# KiCad board kikit_panel.kicad_pcb (continued)
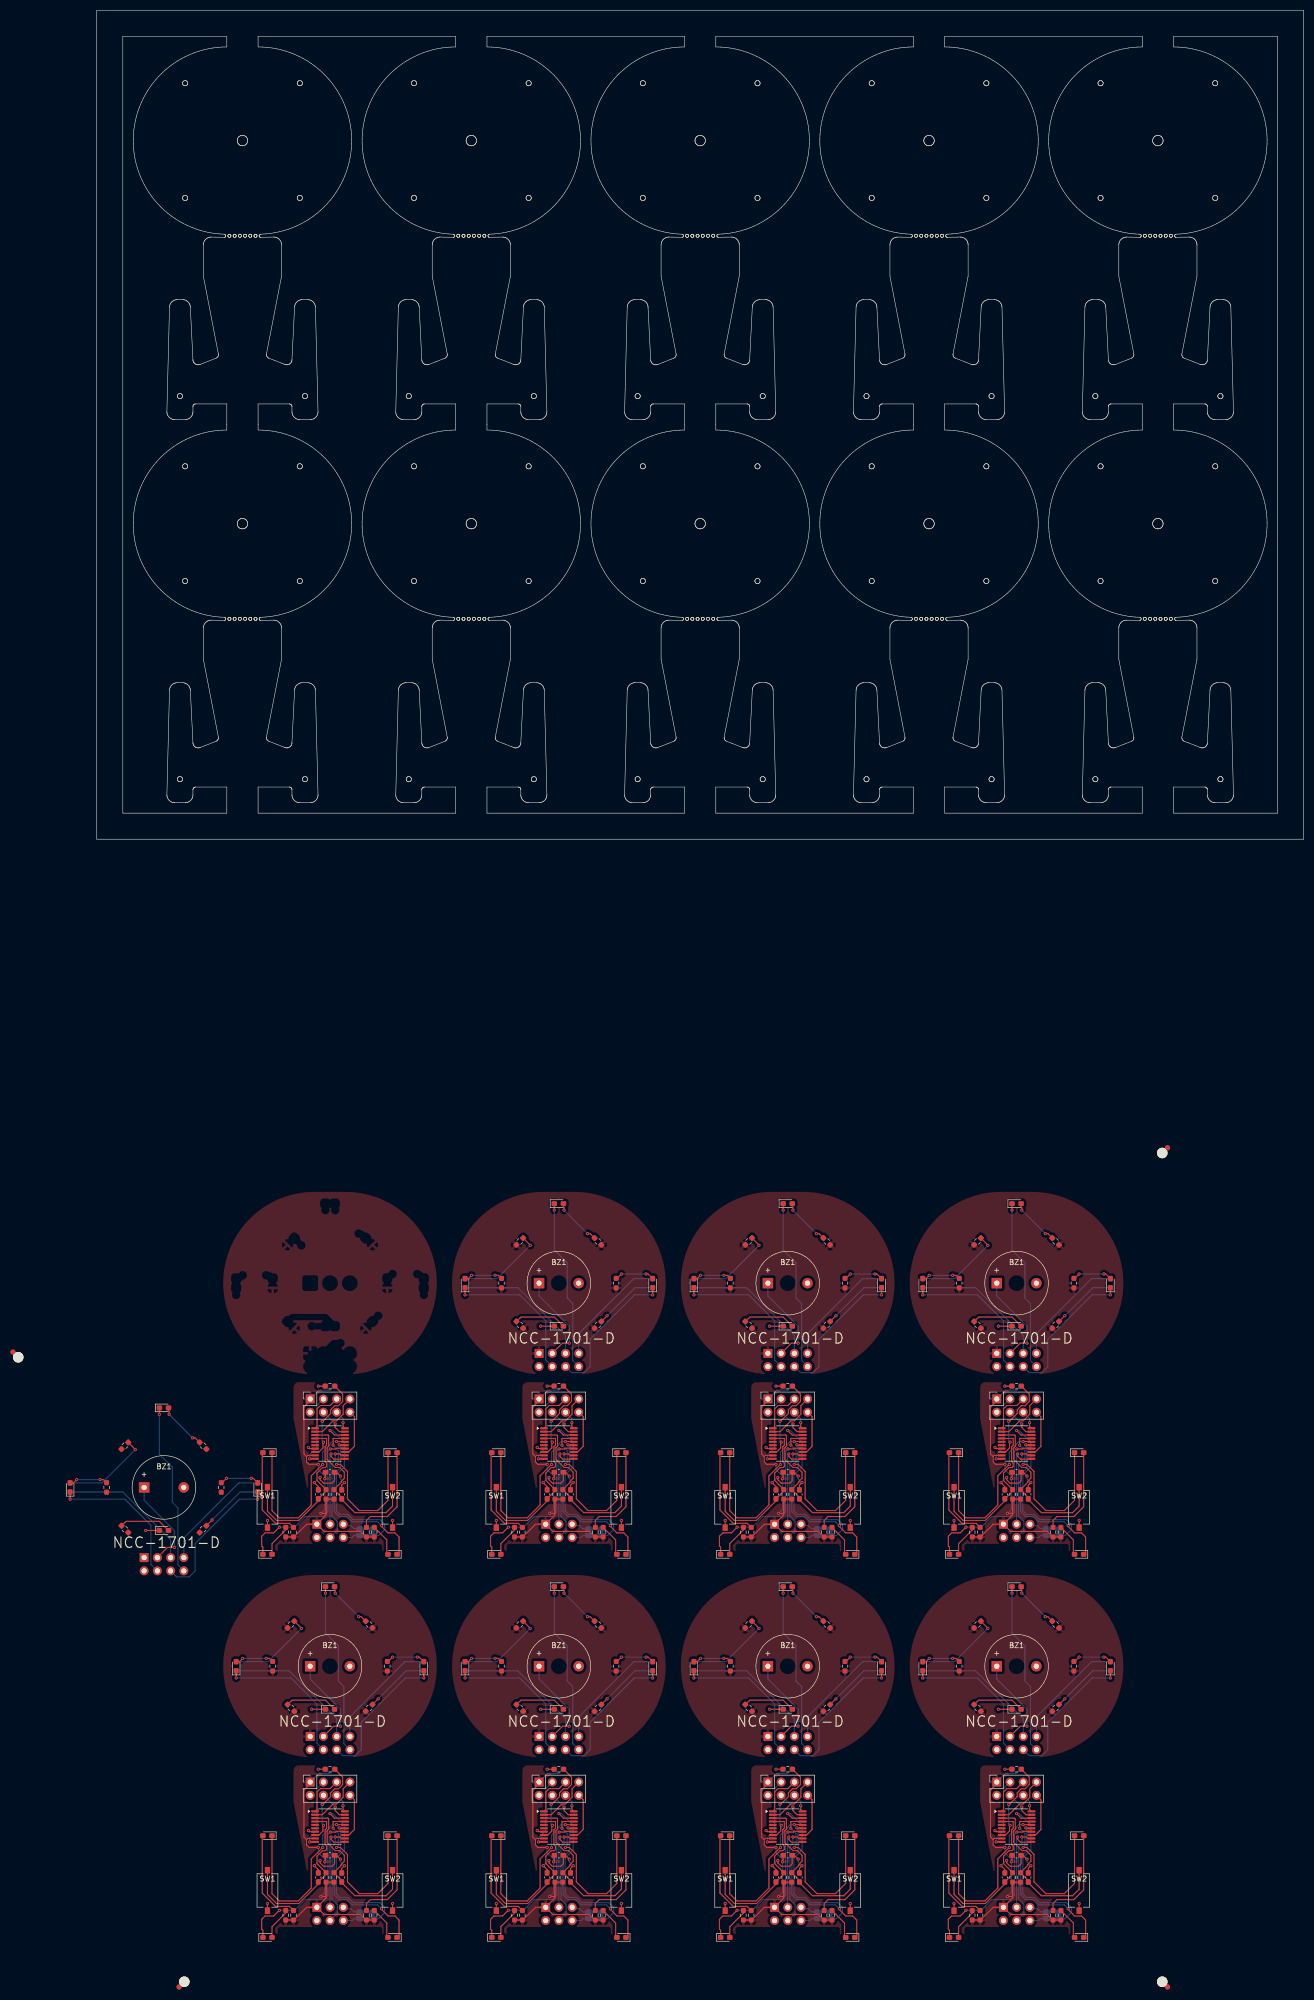
[diagram p0: board, top side]
## Routing (per net, layer and track width the routed paths; a pad name or vN(x,y) marks a point on that pad's centre or on a via; arc(x,y) is an arc through that point) (continued)
Board_1-/red_gondeln_left: length 36.5
  Top w0.2: D6#5.1 77.54,-128.76 78.92,-130.13 82.6,-130.13 85.07,-127.67 85.07,-122.08 87.25,-119.9 v1(87.27,-119.9) ; v1(89.92,-115.51) 91.48,-115.51 U1#2.16
  Bottom w0.2: v1(87.27,-119.9) 87.27,-117.53 88.66,-116.13 88.66,-115.95 89.11,-115.51 v1(89.92,-115.51)
Board_1-/red_gondeln_right: length 35.9
  Top w0.2: D7.1 99.79,-126.78 97.83,-128.74 94.28,-128.74 92.02,-126.48 92.02,-121.23 90.67,-119.88 v1(89.92,-119.88) ; 92.27,-114.91 U1#2.17 ; U1#2.17 90.79,-114.91 ; U1#2.17 89.26,-114.91 v1(89.26,-116.2)
  Bottom w0.2: v1(89.92,-119.88) 90.27,-119.53 90.27,-117.2 v1(89.26,-116.2)
Board_1-/SCL: length 19.2
  Top w0.2: v1(89.67,-117.88) 90.52,-117.88 90.79,-118.16 U1#2.12
  Bottom w0.2: J5#6.4 90.07,-132.51 90.07,-130.88 89.07,-129.87 89.07,-119.74 89.67,-119.14 v1(89.67,-117.88)
Board_1-/SDA: length 17.6
  Top w0.2: v1(88.87,-117.88) 88.87,-118.34 89.41,-118.88 91.45,-118.88 U1#2.11
  Bottom w0.2: 88.18,-130.86 J5#6.3 88.67,-131.34 88.67,-118.08 v1(88.87,-117.88)
Board_1-/sw1: length 33.5
  Top w0.2: SW1#2.1 76.67,-128.88 78.42,-130.63 82.67,-130.63 86.42,-126.88 C1#7.1 87.92,-124.99 R9#7.2 86.17,-122.97 86.17,-121.55 87.22,-120.5 87.8,-120.5 88.02,-120.28 88.02,-119.63 87.72,-119.33 87.72,-116.52 88.02,-116.22 88.02,-114.91 U1#2.4
Board_1-/sw2: length 33.3
  Top w0.2: U1#2.3 88.29,-114.26 88.42,-114.38 88.42,-116.38 88.12,-116.68 88.12,-118.93 89.67,-120.48 90.52,-120.48 91.42,-121.38 91.42,-122.53 90.82,-123.13 90.82,-123.32 R8#6.2 90.92,-126.22 C2.1 90.92,-126.63 93.43,-129.14 99.41,-129.14 100.67,-127.88 SW2.1
Board_1-GND: length 20.4
  Top w0.2: C2.2 90.92,-123.88 v1(91.42,-123.38) ; U1#2.7 84.74,-116.86 v1(84.52,-116.63) ; 89.92,-121.77 C3#2.2 ; C3#2.2 89.53,-123.02 89.07,-123.48 87.42,-123.48 86.77,-122.83 v1(86.77,-122.38) ; C3#2.2 89.92,-121.38 v1(90.67,-122.13) ; C1#7.2 86.42,-124.13 v1(85.67,-123.38) ; D1#7.1 v1(85.17,-93.38) ; v1(76.67,-130.63) SW1#2.2 ; v1(100.67,-130.63) SW2.2
  Bottom w0.2: v1(90.67,-122.13) 90.67,-122.63 v1(91.42,-123.38) ; v1(85.67,-123.38) 86.67,-122.38 v1(86.77,-122.38)
Board_1-Net-(D1-A): length 10.1
  Top w0.2: R1.2 81.13,-91.88 81.17,-91.88 81.42,-91.63 87.79,-91.63 D1#7.2
Board_1-Net-(D2-K): length 2.7
  Top w0.2: R2#3.1 v1(86.42,-104.88)
  Bottom w0.2: v1(86.42,-104.88) D2#2.1
Board_1-Net-(D3-A): length 6.2
  Top w0.2: R3#7.2 99.56,-134.37 99.56,-136.9 D3#7.2
Board_1-Net-(D4-A): length 6.2
  Top w0.2: R4#5.2 80.17,-132.46 77.54,-135.08 D4#5.2
Board_1-Net-(D5-A): length 9.4
  Top w0.2: v1(89.67,-71.13) 89.67,-70.63 89.54,-70.51 D5#2.2 ; v1(94.17,-75.63) 94.67,-75.63 R5#7.2
  Bottom w0.2: v1(89.67,-71.13) v1(94.17,-75.63)
Board_1-Net-(D6-A): length 18.4
  Top w0.2: 75.87,-117.71 75.67,-117.91 75.67,-128.63 78.22,-131.18 80.88,-131.18 R6#6.2
Board_1-Net-(D7-A): length 18.7
  Top w0.2: R7#4.2 95.67,-130.63 96.42,-129.88 99.67,-129.88 101.54,-128.01 D7.2
Board_1-Net-(D8-A): length 7.6
  Top w0.2: v1(71.92,-83.63) 71.29,-84.26 D8#5.2 ; 77.63,-84.26 R10#6.2 77.08,-83.63 v1(76.42,-83.63)
  Bottom w0.2: v1(71.92,-83.63) v1(76.42,-83.63)
Board_1-Net-(D9-A): length 7.8
  Top w0.2: 99.7,-84.26 R11#2.2 99.83,-84.22 v1(100.67,-83.38) ; D9.2 105.79,-83.38 v1(105.42,-83.38)
  Bottom w0.2: v1(100.67,-83.38) v1(105.42,-83.38)
Board_1-Net-(D10-A): length 17.1
  Top w0.2: v1(83.17,-77.88) 83.17,-77.84 R12#7.2
  Bottom w0.2: v1(83.17,-77.88) 76.79,-84.26 D10#5.2
Board_1-Net-(D11-A): length 12.5
  Top w0.2: R13#3.2 v1(97.92,-91.38)
  Bottom w0.2: D11#6.2 103.29,-86.01 v1(97.92,-91.38)
Board_1-Net-(JP1-B): length 37.2
  Top w0.2: v1(88.67,-113.38) 89.54,-114.26 U1#2.18 ; U1#2.18 92.27,-114.26 ; U1#2.18 90.79,-114.26
  Bottom w0.2: v1(88.67,-113.38) 89.17,-113.38 91.42,-115.63 91.42,-120.36 89.87,-121.91 89.87,-128.77 90.58,-129.48 92.08,-129.48 93.08,-130.48 98.27,-130.48 99.17,-131.38 99.17,-132.38 98.02,-133.53 JP1#3.2 97.87,-133.53
Board_1-Net-(U1-PD0): length 16.6
  Top w0.2: U1#2.8 86.54,-117.51 87.32,-116.73 87.32,-115.73 v1(87.42,-115.63) ; R2#3.2 91.1,-106.4 91.1,-107.82 90.28,-108.63 89.57,-108.63 88.8,-109.4 88.8,-110.12 87.28,-111.63 v1(87.17,-111.63)
  Bottom w0.2: v1(87.17,-111.63) 87.17,-115.38 v1(87.42,-115.63)
Board_1-VCC: length 64.3
  Top w0.2: U1#2.9 84.39,-118.16 84.17,-118.38 ; 89.67,-126.54 R9#7.1 ; R9#7.1 87.92,-129.28 v1(86.92,-129.28) ; R9#7.1 87.92,-129.58 J5#6.1 ; J5#6.1 84.19,-131.36 81.75,-133.79 R6#6.1 R4#5.1 ; J5#6.1 87.53,-132.75 94.53,-132.75 95.58,-133.79 R7#4.1 R3#7.1 ; 84.96,-107.34 84.42,-107.88 84.42,-108.13 83.67,-108.88 83.67,-117.88 84.17,-118.38 ; 84.17,-118.38 84.17,-119.38 84.67,-119.88 v1(86.42,-119.88) ; v1(87.67,-122.63) 87.67,-122.38 87.8,-122.24 C3#2.1
  Bottom w0.2: J4#2.1 86.55,-105.66 88.64,-105.66 89.42,-104.88 D2#2.2 ; v1(86.92,-129.28) 87.67,-128.53 v1(87.67,-122.63) 87.67,-122.13 86.42,-120.88 v1(86.42,-119.88)
Board_2-/blue gondeln left: length 33.4
  Top w0.2: U1#8.14 135.37,-116.78 133.83,-116.78 133.68,-116.93 v1(132.63,-116.93) ; v1(122.87,-131.92) 121.78,-133.02 120.12,-133.02 119.48,-133.66 119.48,-135.53 119.71,-135.76 D4#7.1
  Bottom w0.2: v1(122.87,-131.92) 125.79,-131.92 127.83,-129.88 131.33,-129.88 132.18,-129.03 132.18,-117.38 v1(132.63,-116.93)
Board_2-/blue gondeln right: length 32.6
  Top w0.2: v1(134.34,-116.12) 134.43,-116.21 U1#8.15 ; v1(142.48,-131.63) 142.48,-131.78 143.72,-133.02 145.04,-133.02 145.83,-133.81 145.83,-136.76 D3#2.1
  Bottom w0.2: v1(142.48,-131.63) 141.73,-130.88 136.83,-130.88 135.83,-129.88 134.33,-129.88 133.38,-128.93 133.38,-121.75 134.58,-120.55 134.58,-116.36 v1(134.34,-116.12)
Board_2-/blue_front: length 42.5
  Top w0.2: U1#8.13 136.18,-117.51 137.25,-116.44 137.25,-110.73 J4#5.8 ; D5#4.1 131.71,-71.26
  Bottom w0.2: J1.8 135.25,-99.98 135.25,-89.05 134.18,-87.98 134.18,-81.23 131.71,-78.76 v1(131.71,-71.13)
Board_2-/buzzer: length 31.6
  Top w0.2: v1(128.68,-118.81) 129.71,-118.81 U1#8.10 ; v1(134.58,-96.63) 133.28,-96.63 J1.3
  Bottom w0.2: v1(134.58,-96.63) 134.58,-93.38 128.78,-87.58 BZ1#7.1 ; J4#5.3 130.08,-108.58 130.08,-116.63 128.68,-118.03 v1(128.68,-118.81)
Board_2-/GPIO1: length 5.3
  Bottom w0.2: 137.58,-132.23 137.18,-132.23 136.58,-131.63 135.41,-131.63 J5#3.5 ; JP1#4.1 J3#8.2
Board_2-/GPIO2: length 3.1
  Top w0.2: 135.5,-133.53 J5#3.6
  Bottom w0.2: J5#3.6 136.82,-133.9 137.18,-133.53 137.58,-133.53
Board_2-/LED dish bottom l: length 34.9
  Top w0.2: J4#5.5 132.61,-108.59 130.73,-108.59 130.08,-109.24 130.08,-112.59 U1#8.1
  Bottom w0.2: J1.5 133.86,-95.16 124.71,-86.01 D10.1
Board_2-/LED dish bottom r: length 32.6
  Top w0.2: U1#8.2 131.11,-113.61 133.18,-111.53 133.84,-111.53 135.11,-110.26 135.11,-108.63 J4#5.7
  Bottom w0.2: D11#3.1 146.96,-84.26 136.4,-94.81 J1.7
Board_2-/LED dish top left: length 34.3
  Top w0.2: D8#2.1 v1(114.58,-87.38) ; U1#8.19 134.38,-113.61 133.58,-112.81 v1(133.58,-112.13)
  Bottom w0.2: J4#5.4 131.33,-109.88 v1(133.58,-112.13) ; v1(114.58,-87.38) 125.08,-87.38 130.07,-92.37 130.07,-99.88 J1.4
Board_2-/LED dish top right: length 32.1
  Top w0.2: D9#6.1 v1(150.58,-87.38) ; U1#8.20 135.08,-112.59 v1(135.08,-111.88) ; 134.09,-110.39 134.09,-109.88
  Bottom w0.2: J1.6 135.01,-102.28 137.43,-102.28 138.58,-101.13 138.58,-95.88 147.08,-87.38 v1(150.58,-87.38) ; v1(135.08,-111.88) 135.08,-111.1 J4#5.6
Board_2-/red_gondeln_left: length 36.5
  Top w0.2: D6#3.1 121.46,-128.76 122.83,-130.13 126.51,-130.13 128.98,-127.67 128.98,-122.08 131.16,-119.9 v1(131.18,-119.9) ; U1#8.16 135.39,-115.51 v1(133.83,-115.51)
  Bottom w0.2: v1(133.83,-115.51) 133.02,-115.51 132.58,-115.95 132.58,-116.13 131.18,-117.53 v1(131.18,-119.9)
Board_2-/red_gondeln_right: length 35.9
  Top w0.2: D7#6.1 143.71,-126.78 141.74,-128.74 138.19,-128.74 135.93,-126.48 135.93,-121.23 134.58,-119.88 v1(133.83,-119.88) ; 136.18,-114.91 U1#8.17 ; U1#8.17 134.71,-114.91 ; U1#8.17 133.18,-114.91 v1(133.18,-116.2)
  Bottom w0.2: v1(133.18,-116.2) 134.18,-117.2 134.18,-119.53 v1(133.83,-119.88)
Board_2-/SCL: length 19.2
  Top w0.2: U1#8.12 134.71,-118.16 134.43,-117.88 v1(133.58,-117.88)
  Bottom w0.2: v1(133.58,-117.88) 133.58,-119.14 132.98,-119.74 132.98,-129.87 133.99,-130.88 133.99,-132.51 J5#3.4
Board_2-/SDA: length 17.6
  Top w0.2: v1(132.78,-117.88) 132.78,-118.34 133.32,-118.88 135.37,-118.88 U1#8.11
  Bottom w0.2: v1(132.78,-117.88) 132.58,-118.08 132.58,-131.34 J5#3.3 132.1,-130.86
Board_2-/sw1: length 33.5
  Top w0.2: SW1#6.1 120.58,-128.88 122.33,-130.63 126.58,-130.63 130.33,-126.88 C1#4.1 131.83,-124.99 R9#6.2 130.08,-122.97 130.08,-121.55 131.13,-120.5 131.72,-120.5 131.93,-120.28 131.93,-119.63 131.63,-119.33 131.63,-116.52 131.93,-116.22 131.93,-114.91 U1#8.4
Board_2-/sw2: length 33.3
  Top w0.2: U1#8.3 132.21,-114.26 132.33,-114.38 132.33,-116.38 132.03,-116.68 132.03,-118.93 133.58,-120.48 134.43,-120.48 135.33,-121.38 135.33,-122.53 134.73,-123.13 134.73,-123.32 R8#2.2 134.83,-126.22 C2#5.1 134.83,-126.63 137.34,-129.14 143.32,-129.14 144.58,-127.88 SW2#8.1
Board_2-GND: length 20.4
  Top w0.2: v1(130.68,-122.38) 130.68,-122.83 131.33,-123.48 132.98,-123.48 133.44,-123.02 C3#6.2 ; U1#8.7 128.66,-116.86 v1(128.43,-116.63) ; C1#4.2 130.33,-124.13 v1(129.58,-123.38) ; v1(120.58,-130.63) SW1#6.2 ; v1(134.58,-122.13) 133.83,-121.38 C3#6.2 ; C3#6.2 133.83,-121.77 ; D1#8.1 v1(129.08,-93.38) ; C2#5.2 134.83,-123.88 v1(135.33,-123.38) ; v1(144.58,-130.63) SW2#8.2
  Bottom w0.2: v1(134.58,-122.13) 134.58,-122.63 v1(135.33,-123.38) ; v1(129.58,-123.38) 130.58,-122.38 v1(130.68,-122.38)
Board_2-Net-(D1-A): length 10.1
  Top w0.2: D1#8.2 131.71,-91.63 125.33,-91.63 125.08,-91.88 125.04,-91.88 R1#5.2
Board_2-Net-(D2-K): length 2.7
  Top w0.2: R2#8.1 v1(130.33,-104.88)
  Bottom w0.2: v1(130.33,-104.88) D2#3.1
Board_2-Net-(D3-A): length 6.2
  Top w0.2: D3#2.2 143.48,-136.9 143.48,-134.37 R3.2
Board_2-Net-(D4-A): length 6.2
  Top w0.2: R4#2.2 124.08,-132.46 121.46,-135.08 D4#7.2
Board_2-Net-(D5-A): length 9.4
  Top w0.2: R5#5.2 138.58,-75.63 v1(138.08,-75.63) ; v1(133.58,-71.13) 133.58,-70.63 133.46,-70.51 D5#4.2
  Bottom w0.2: v1(133.58,-71.13) v1(138.08,-75.63)
Board_2-Net-(D6-A): length 18.4
  Top w0.2: R6.2 124.79,-131.18 122.13,-131.18 119.58,-128.63 119.58,-117.91 119.78,-117.71
Board_2-Net-(D7-A): length 18.7
  Top w0.2: R7#7.2 139.58,-130.63 140.33,-129.88 143.58,-129.88 145.46,-128.01 D7#6.2
Board_2-Net-(D8-A): length 7.6
  Top w0.2: v1(115.83,-83.63) 115.21,-84.26 D8#2.2 ; 121.54,-84.26 R10#3.2 120.99,-83.63 v1(120.33,-83.63)
  Bottom w0.2: v1(115.83,-83.63) v1(120.33,-83.63)
Board_2-Net-(D9-A): length 7.8
  Top w0.2: 143.62,-84.26 R11#5.2 143.74,-84.22 v1(144.58,-83.38) ; D9#6.2 149.71,-83.38 v1(149.33,-83.38)
  Bottom w0.2: v1(144.58,-83.38) v1(149.33,-83.38)
Board_2-Net-(D10-A): length 17.1
  Top w0.2: R12#6.2 127.08,-77.84 v1(127.08,-77.88)
  Bottom w0.2: v1(127.08,-77.88) 120.71,-84.26 D10.2
Board_2-Net-(D11-A): length 12.5
  Top w0.2: R13.2 v1(141.83,-91.38)
  Bottom w0.2: D11#3.2 147.21,-86.01 v1(141.83,-91.38)
Board_2-Net-(JP1-B): length 37.2
  Top w0.2: U1#8.18 136.18,-114.26 ; U1#8.18 134.71,-114.26 ; U1#8.18 133.46,-114.26 v1(132.58,-113.38)
  Bottom w0.2: 141.78,-133.53 JP1#4.2 141.93,-133.53 143.08,-132.38 143.08,-131.38 142.18,-130.48 137,-130.48 136,-129.48 134.5,-129.48 133.78,-128.77 133.78,-121.91 135.33,-120.36 135.33,-115.63 133.08,-113.38 v1(132.58,-113.38)
Board_2-Net-(U1-PD0): length 16.6
  Top w0.2: v1(131.08,-111.63) 131.2,-111.63 132.71,-110.12 132.71,-109.4 133.48,-108.63 134.2,-108.63 135.01,-107.82 135.01,-106.4 R2#8.2 ; U1#8.8 130.46,-117.51 131.23,-116.73 131.23,-115.73 v1(131.33,-115.63)
  Bottom w0.2: v1(131.08,-111.63) 131.08,-115.38 v1(131.33,-115.63)
Board_2-VCC: length 64.3
  Top w0.2: v1(130.33,-119.88) 128.58,-119.88 128.08,-119.38 128.08,-118.38 ; 128.87,-107.34 128.33,-107.88 128.33,-108.13 127.58,-108.88 127.58,-117.88 128.08,-118.38 ; R4#2.1 R6.1 125.67,-133.79 128.11,-131.36 J5#3.1 ; v1(130.83,-129.28) 131.83,-129.28 R9#6.1 ; R9#6.1 131.83,-129.58 J5#3.1 ; R9#6.1 133.58,-126.54 ; U1#8.9 128.31,-118.16 128.08,-118.38 ; v1(131.58,-122.63) 131.58,-122.38 131.72,-122.24 C3#6.1 ; J5#3.1 131.45,-132.75 138.45,-132.75 139.49,-133.79 R7#7.1 R3.1
  Bottom w0.2: J4#5.1 130.47,-105.66 132.56,-105.66 133.33,-104.88 D2#3.2 ; v1(130.83,-129.28) 131.58,-128.53 v1(131.58,-122.63) 131.58,-122.13 130.33,-120.88 v1(130.33,-119.88)
Board_3-/blue gondeln left: length 33.4
  Top w0.2: v1(176.54,-116.93) 177.6,-116.93 177.75,-116.78 179.28,-116.78 U1#4.14 ; D4#2.1 163.62,-135.76 163.39,-135.53 163.39,-133.66 164.04,-133.02 165.69,-133.02 v1(166.79,-131.92)
  Bottom w0.2: v1(166.79,-131.92) 169.7,-131.92 171.74,-129.88 175.24,-129.88 176.09,-129.03 176.09,-117.38 v1(176.54,-116.93)
Board_3-/blue gondeln right: length 32.6
  Top w0.2: v1(186.39,-131.63) 186.39,-131.78 187.63,-133.02 188.95,-133.02 189.74,-133.81 189.74,-136.76 D3#8.1 ; U1#4.15 178.34,-116.21 v1(178.26,-116.12)
  Bottom w0.2: v1(178.26,-116.12) 178.49,-116.36 178.49,-120.55 177.29,-121.75 177.29,-128.93 178.24,-129.88 179.74,-129.88 180.74,-130.88 185.64,-130.88 v1(186.39,-131.63)
Board_3-/blue_front: length 42.5
  Top w0.2: D5#6.1 175.62,-71.26 ; U1#4.13 180.09,-117.51 181.16,-116.44 181.16,-110.73 J4#6.8
  Bottom w0.2: J1#8.8 179.16,-99.98 179.16,-89.05 178.1,-87.98 178.1,-81.23 175.62,-78.76 v1(175.62,-71.13)
Board_3-/buzzer: length 31.6
  Top w0.2: v1(178.49,-96.63) 177.19,-96.63 J1#8.3 ; U1#4.10 173.62,-118.81 v1(172.59,-118.81)
  Bottom w0.2: J4#6.3 173.99,-108.58 173.99,-116.63 172.59,-118.03 v1(172.59,-118.81) ; BZ1#6.1 172.69,-87.58 178.49,-93.38 v1(178.49,-96.63)
Board_3-/GPIO1: length 5.3
  Bottom w0.2: 181.49,-132.23 181.09,-132.23 180.49,-131.63 179.32,-131.63 J5#7.5 ; JP1#7.1 J3#5.2
Board_3-/GPIO2: length 3.1
  Top w0.2: 179.41,-133.53 J5#7.6
  Bottom w0.2: J5#7.6 180.73,-133.9 181.09,-133.53 181.49,-133.53
Board_3-/LED dish bottom l: length 34.9
  Top w0.2: U1#4.1 173.99,-112.59 173.99,-109.24 174.65,-108.59 176.52,-108.59 J4#6.5
  Bottom w0.2: D10#2.1 168.62,-86.01 177.77,-95.16 J1#8.5
Board_3-/LED dish bottom r: length 32.6
  Top w0.2: U1#4.2 175.02,-113.61 177.09,-111.53 177.75,-111.53 179.02,-110.26 179.02,-108.63 J4#6.7
  Bottom w0.2: D11.1 190.87,-84.26 180.31,-94.81 J1#8.7
Board_3-/LED dish top left: length 34.3
  Top w0.2: v1(177.49,-112.13) 177.49,-112.81 178.29,-113.61 U1#4.19 ; D8#7.1 v1(158.49,-87.38)
  Bottom w0.2: J4#6.4 175.24,-109.88 v1(177.49,-112.13) ; J1#8.4 173.98,-99.88 173.98,-92.37 168.99,-87.38 v1(158.49,-87.38)
Board_3-/LED dish top right: length 32.1
  Top w0.2: v1(178.99,-111.88) 178.99,-112.59 U1#4.20 ; D9#3.1 v1(194.49,-87.38) ; 178,-110.39 178,-109.88
  Bottom w0.2: J1#8.6 178.92,-102.28 181.34,-102.28 182.49,-101.13 182.49,-95.88 190.99,-87.38 v1(194.49,-87.38) ; J4#6.6 178.99,-111.1 v1(178.99,-111.88)
Board_3-/red_gondeln_left: length 36.5
  Top w0.2: v1(177.74,-115.51) 179.31,-115.51 U1#4.16 ; v1(175.09,-119.9) 175.08,-119.9 172.89,-122.08 172.89,-127.67 170.43,-130.13 166.74,-130.13 165.37,-128.76 D6#2.1
  Bottom w0.2: v1(177.74,-115.51) 176.94,-115.51 176.49,-115.95 176.49,-116.13 175.09,-117.53 v1(175.09,-119.9)
Board_3-/red_gondeln_right: length 35.9
  Top w0.2: 180.09,-114.91 U1#4.17 ; U1#4.17 178.62,-114.91 ; U1#4.17 177.09,-114.91 v1(177.09,-116.2) ; v1(177.74,-119.88) 178.49,-119.88 179.84,-121.23 179.84,-126.48 182.1,-128.74 185.66,-128.74 187.62,-126.78 D7#5.1
  Bottom w0.2: v1(177.74,-119.88) 178.09,-119.53 178.09,-117.2 v1(177.09,-116.2)
Board_3-/SCL: length 19.2
  Top w0.2: v1(177.49,-117.88) 178.34,-117.88 178.62,-118.16 U1#4.12
  Bottom w0.2: J5#7.4 177.9,-132.51 177.9,-130.88 176.89,-129.87 176.89,-119.74 177.49,-119.14 v1(177.49,-117.88)
Board_3-/SDA: length 17.6
  Top w0.2: v1(176.69,-117.88) 176.69,-118.34 177.24,-118.88 179.28,-118.88 U1#4.11
  Bottom w0.2: v1(176.69,-117.88) 176.49,-118.08 176.49,-131.34 J5#7.3 176.01,-130.86
Board_3-/sw1: length 33.5
  Top w0.2: SW1.1 164.49,-128.88 166.24,-130.63 170.49,-130.63 174.24,-126.88 C1.1 175.74,-124.99 R9#8.2 173.99,-122.97 173.99,-121.55 175.04,-120.5 175.63,-120.5 175.84,-120.28 175.84,-119.63 175.54,-119.33 175.54,-116.52 175.84,-116.22 175.84,-114.91 U1#4.4
Board_3-/sw2: length 33.3
  Top w0.2: SW2#7.1 188.49,-127.88 187.24,-129.14 181.25,-129.14 178.74,-126.63 C2#4.1 178.74,-126.22 R8#8.2 178.64,-123.32 178.64,-123.13 179.24,-122.53 179.24,-121.38 178.34,-120.48 177.5,-120.48 175.94,-118.93 175.94,-116.68 176.24,-116.38 176.24,-114.38 176.12,-114.26 U1#4.3
Board_3-GND: length 20.4
  Top w0.2: v1(178.49,-122.13) 177.74,-121.38 C3#3.2 ; C3#3.2 177.36,-123.02 176.89,-123.48 175.24,-123.48 174.59,-122.83 v1(174.59,-122.38) ; C3#3.2 177.74,-121.77 ; D1#5.1 v1(172.99,-93.38) ; v1(173.49,-123.38) 174.24,-124.13 C1.2 ; U1#4.7 172.57,-116.86 v1(172.34,-116.63) ; v1(179.24,-123.38) 178.74,-123.88 C2#4.2 ; v1(188.49,-130.63) SW2#7.2 ; v1(164.49,-130.63) SW1.2
  Bottom w0.2: v1(173.49,-123.38) 174.49,-122.38 v1(174.59,-122.38) ; v1(179.24,-123.38) 178.49,-122.63 v1(178.49,-122.13)
Board_3-Net-(D1-A): length 10.1
  Top w0.2: R1#8.2 168.95,-91.88 168.99,-91.88 169.24,-91.63 175.62,-91.63 D1#5.2
Board_3-Net-(D2-K): length 2.7
  Top w0.2: R2#5.1 v1(174.24,-104.88)
  Bottom w0.2: v1(174.24,-104.88) D2#4.1
Board_3-Net-(D3-A): length 6.2
  Top w0.2: R3#5.2 187.39,-134.37 187.39,-136.9 D3#8.2
Board_3-Net-(D4-A): length 6.2
  Top w0.2: R4#7.2 167.99,-132.46 165.37,-135.08 D4#2.2
Board_3-Net-(D5-A): length 9.4
  Top w0.2: R5#6.2 182.49,-75.63 v1(181.99,-75.63) ; v1(177.49,-71.13) 177.49,-70.63 177.37,-70.51 D5#6.2
  Bottom w0.2: v1(177.49,-71.13) v1(181.99,-75.63)
Board_3-Net-(D6-A): length 18.4
  Top w0.2: R6#5.2 168.71,-131.18 166.04,-131.18 163.49,-128.63 163.49,-117.91 163.69,-117.71
Board_3-Net-(D7-A): length 18.7
  Top w0.2: R7#2.2 183.49,-130.63 184.24,-129.88 187.49,-129.88 189.37,-128.01 D7#5.2
Board_3-Net-(D8-A): length 7.6
  Top w0.2: v1(164.24,-83.63) 164.91,-83.63 R10#4.2 165.46,-84.26 ; D8#7.2 159.12,-84.26 v1(159.74,-83.63)
  Bottom w0.2: v1(159.74,-83.63) v1(164.24,-83.63)
Board_3-Net-(D9-A): length 7.8
  Top w0.2: 187.53,-84.26 R11#3.2 187.66,-84.22 v1(188.49,-83.38) ; v1(193.24,-83.38) 193.62,-83.38 D9#3.2
  Bottom w0.2: v1(188.49,-83.38) v1(193.24,-83.38)
Board_3-Net-(D10-A): length 17.1
  Top w0.2: v1(170.99,-77.88) 170.99,-77.84 R12.2
  Bottom w0.2: v1(170.99,-77.88) 164.62,-84.26 D10#2.2
Board_3-Net-(D11-A): length 12.5
  Top w0.2: R13#5.2 v1(185.74,-91.38)
  Bottom w0.2: v1(185.74,-91.38) 191.12,-86.01 D11.2
Board_3-Net-(JP1-B): length 37.2
  Top w0.2: U1#4.18 180.09,-114.26 ; U1#4.18 178.62,-114.26 ; U1#4.18 177.37,-114.26 v1(176.49,-113.38)
  Bottom w0.2: v1(176.49,-113.38) 176.99,-113.38 179.24,-115.63 179.24,-120.36 177.69,-121.91 177.69,-128.77 178.41,-129.48 179.91,-129.48 180.91,-130.48 186.09,-130.48 186.99,-131.38 186.99,-132.38 185.84,-133.53 JP1#7.2 185.69,-133.53
Board_3-Net-(U1-PD0): length 16.6
  Top w0.2: v1(174.99,-111.63) 175.11,-111.63 176.62,-110.12 176.62,-109.4 177.4,-108.63 178.11,-108.63 178.92,-107.82 178.92,-106.4 R2#5.2 ; U1#4.8 174.37,-117.51 175.14,-116.73 175.14,-115.73 v1(175.24,-115.63)
  Bottom w0.2: v1(174.99,-111.63) 174.99,-115.38 v1(175.24,-115.63)
Board_3-VCC: length 64.3
  Top w0.2: 171.99,-118.38 172.22,-118.16 U1#4.9 ; 171.99,-118.38 171.99,-119.38 172.49,-119.88 v1(174.24,-119.88) ; 171.99,-118.38 171.49,-117.88 171.49,-108.88 172.24,-108.13 172.24,-107.88 172.78,-107.34 ; R3#5.1 R7#2.1 183.41,-133.79 182.36,-132.75 175.36,-132.75 J5#7.1 ; J5#7.1 175.74,-129.58 R9#8.1 ; J5#7.1 172.02,-131.36 169.58,-133.79 R6#5.1 R4#7.1 ; C3#3.1 175.63,-122.24 175.49,-122.38 v1(175.49,-122.63) ; v1(174.74,-129.28) 175.74,-129.28 R9#8.1 ; 177.49,-126.54 R9#8.1
  Bottom w0.2: J4#6.1 174.38,-105.66 176.47,-105.66 177.24,-104.88 D2#4.2 ; v1(174.74,-129.28) 175.49,-128.53 v1(175.49,-122.63) 175.49,-122.13 174.24,-120.88 v1(174.24,-119.88)
Board_4-/blue gondeln left: length 33.4
  Top w0.2: v1(44.8,-190.39) 45.85,-190.39 46,-190.24 47.54,-190.24 U1#7.14 ; v1(35.04,-205.38) 33.95,-206.47 32.3,-206.47 31.65,-207.12 31.65,-208.99 31.88,-209.21 D4#4.1
  Bottom w0.2: v1(44.8,-190.39) 44.35,-190.84 44.35,-202.49 43.5,-203.34 40,-203.34 37.96,-205.38 v1(35.04,-205.38)
Board_4-/blue gondeln right: length 32.6
  Top w0.2: D3#5.1 58,-210.21 58,-207.27 57.21,-206.47 55.89,-206.47 54.65,-205.24 v1(54.65,-205.09) ; U1#7.15 46.6,-189.66 v1(46.51,-189.58)
  Bottom w0.2: v1(46.51,-189.58) 46.75,-189.82 46.75,-194 45.55,-195.2 45.55,-202.39 46.5,-203.34 48,-203.34 49,-204.34 53.9,-204.34 v1(54.65,-205.09)
Board_4-/blue_front: length 42.5
  Top w0.2: J4#7.8 49.42,-184.19 49.42,-189.89 48.35,-190.96 U1#7.13 ; D5#3.1 43.88,-144.71
  Bottom w0.2: v1(43.88,-144.59) 43.88,-152.21 46.35,-154.69 46.35,-161.44 47.42,-162.51 47.42,-173.44 J1#5.8
Board_4-/buzzer: length 31.6
  Top w0.2: v1(46.75,-170.09) 45.45,-170.09 J1#5.3 ; U1#7.10 41.88,-192.27 v1(40.85,-192.27)
  Bottom w0.2: v1(46.75,-170.09) 46.75,-166.84 40.95,-161.04 BZ1#5.1 ; v1(40.85,-192.27) 40.85,-191.49 42.25,-190.09 42.25,-182.04 J4#7.3
Board_4-/GPIO1: length 5.3
  Bottom w0.2: JP1#8.1 J3#6.2 ; J5#4.5 47.58,-205.09 48.75,-205.09 49.35,-205.69 49.75,-205.69
Board_4-/GPIO2: length 3.1
  Top w0.2: 47.67,-206.99 J5#4.6
  Bottom w0.2: J5#4.6 48.99,-207.35 49.35,-206.99 49.75,-206.99
Board_4-/LED dish bottom l: length 34.9
  Top w0.2: U1#7.1 42.25,-186.05 42.25,-182.7 42.9,-182.05 44.78,-182.05 J4#7.5
  Bottom w0.2: D10#8.1 36.88,-159.46 46.03,-168.62 J1#5.5
Board_4-/LED dish bottom r: length 32.6
  Top w0.2: U1#7.2 43.28,-187.06 45.35,-184.99 46.01,-184.99 47.28,-183.71 47.28,-182.09 J4#7.7
  Bottom w0.2: J1#5.7 48.57,-168.27 59.13,-157.71 D11#7.1
Board_4-/LED dish top left: length 34.3
  Top w0.2: v1(45.75,-185.59) 45.75,-186.26 46.55,-187.06 U1#7.19 ; D8#6.1 v1(26.75,-160.84)
  Bottom w0.2: J4#7.4 43.5,-183.34 v1(45.75,-185.59) ; J1#5.4 42.24,-173.34 42.24,-165.83 37.25,-160.84 v1(26.75,-160.84)
Board_4-/LED dish top right: length 32.1
  Top w0.2: D9#8.1 v1(62.75,-160.84) ; 46.26,-183.85 46.26,-183.34 ; v1(47.25,-185.34) 47.25,-186.05 U1#7.20
  Bottom w0.2: J1#5.6 47.18,-175.74 49.6,-175.74 50.75,-174.59 50.75,-169.34 59.25,-160.84 v1(62.75,-160.84) ; v1(47.25,-185.34) 47.25,-184.56 J4#7.6
Board_4-/red_gondeln_left: length 36.5
  Top w0.2: U1#7.16 47.57,-188.96 v1(46,-188.96) ; D6#7.1 33.63,-202.21 35,-203.59 38.69,-203.59 41.15,-201.12 41.15,-195.54 43.34,-193.35 v1(43.35,-193.35)
  Bottom w0.2: v1(46,-188.96) 45.19,-188.96 44.75,-189.41 44.75,-189.59 43.35,-190.99 v1(43.35,-193.35)
Board_4-/red_gondeln_right: length 35.9
  Top w0.2: v1(46,-193.34) 46.75,-193.34 48.1,-194.69 48.1,-199.94 50.36,-202.2 53.92,-202.2 55.88,-200.23 D7#2.1 ; 46.88,-188.36 U1#7.17 ; U1#7.17 48.35,-188.36 ; U1#7.17 45.35,-188.36 v1(45.35,-189.66)
  Bottom w0.2: v1(46,-193.34) 46.35,-192.99 46.35,-190.66 v1(45.35,-189.66)
Board_4-/SCL: length 19.2
  Top w0.2: U1#7.12 46.88,-191.61 46.6,-191.34 v1(45.75,-191.34)
  Bottom w0.2: J5#4.4 46.16,-205.96 46.16,-204.34 45.15,-203.33 45.15,-193.2 45.75,-192.6 v1(45.75,-191.34)
Board_4-/SDA: length 17.6
  Top w0.2: U1#7.11 47.54,-192.34 45.5,-192.34 44.95,-191.79 v1(44.95,-191.34)
  Bottom w0.2: v1(44.95,-191.34) 44.75,-191.54 44.75,-204.8 J5#4.3 44.27,-204.32
Board_4-/sw1: length 33.5
  Top w0.2: SW1#7.1 32.75,-202.34 34.5,-204.09 38.75,-204.09 42.5,-200.34 C1#2.1 44,-198.45 R9.2 42.25,-196.43 42.25,-195 43.3,-193.95 43.89,-193.95 44.1,-193.74 44.1,-193.09 43.8,-192.79 43.8,-189.97 44.1,-189.67 44.1,-188.36 U1#7.4
Board_4-/sw2: length 33.3
  Top w0.2: U1#7.3 44.38,-187.71 44.5,-187.84 44.5,-189.84 44.2,-190.14 44.2,-192.39 45.75,-193.94 46.6,-193.94 47.5,-194.84 47.5,-195.99 46.9,-196.59 46.9,-196.78 R8.2 47,-199.68 C2#2.1 47,-200.09 49.51,-202.6 55.49,-202.6 56.75,-201.34 SW2#3.1
Board_4-GND: length 20.4
  Top w0.2: v1(41.75,-196.84) 42.5,-197.59 C1#2.2 ; D1#3.1 v1(41.25,-166.84) ; v1(47.5,-196.84) 47,-197.34 C2#2.2 ; v1(46.75,-195.59) 46,-194.84 C3#7.2 ; v1(40.6,-190.09) 40.83,-190.31 U1#7.7 ; v1(56.75,-204.09) SW2#3.2 ; 46,-195.23 C3#7.2 ; C3#7.2 45.62,-196.48 45.15,-196.94 43.5,-196.94 42.85,-196.29 v1(42.85,-195.84) ; v1(32.75,-204.09) SW1#7.2
  Bottom w0.2: v1(47.5,-196.84) 46.75,-196.09 v1(46.75,-195.59) ; v1(42.85,-195.84) 42.75,-195.84 v1(41.75,-196.84)
Board_4-Net-(D1-A): length 10.1
  Top w0.2: D1#3.2 43.88,-165.09 37.5,-165.09 37.25,-165.34 37.21,-165.34 R1#6.2
Board_4-Net-(D2-K): length 2.7
  Top w0.2: R2.1 v1(42.5,-178.34)
  Bottom w0.2: v1(42.5,-178.34) D2#7.1
Board_4-Net-(D3-A): length 6.2
  Top w0.2: D3#5.2 55.65,-210.36 55.65,-207.82 R3#2.2
Board_4-Net-(D4-A): length 6.2
  Top w0.2: R4#3.2 36.25,-205.91 33.63,-208.54 D4#4.2
Board_4-Net-(D5-A): length 9.4
  Top w0.2: v1(45.75,-144.59) 45.75,-144.09 45.63,-143.96 D5#3.2 ; v1(50.25,-149.09) 50.75,-149.09 R5.2
  Bottom w0.2: v1(45.75,-144.59) v1(50.25,-149.09)
Board_4-Net-(D6-A): length 18.4
  Top w0.2: 31.95,-191.16 31.75,-191.36 31.75,-202.09 34.3,-204.64 36.97,-204.64 R6#2.2
Board_4-Net-(D7-A): length 18.7